# Altium PCB openmv-ae3.PcbDoc (part 6 of 7) (continued)
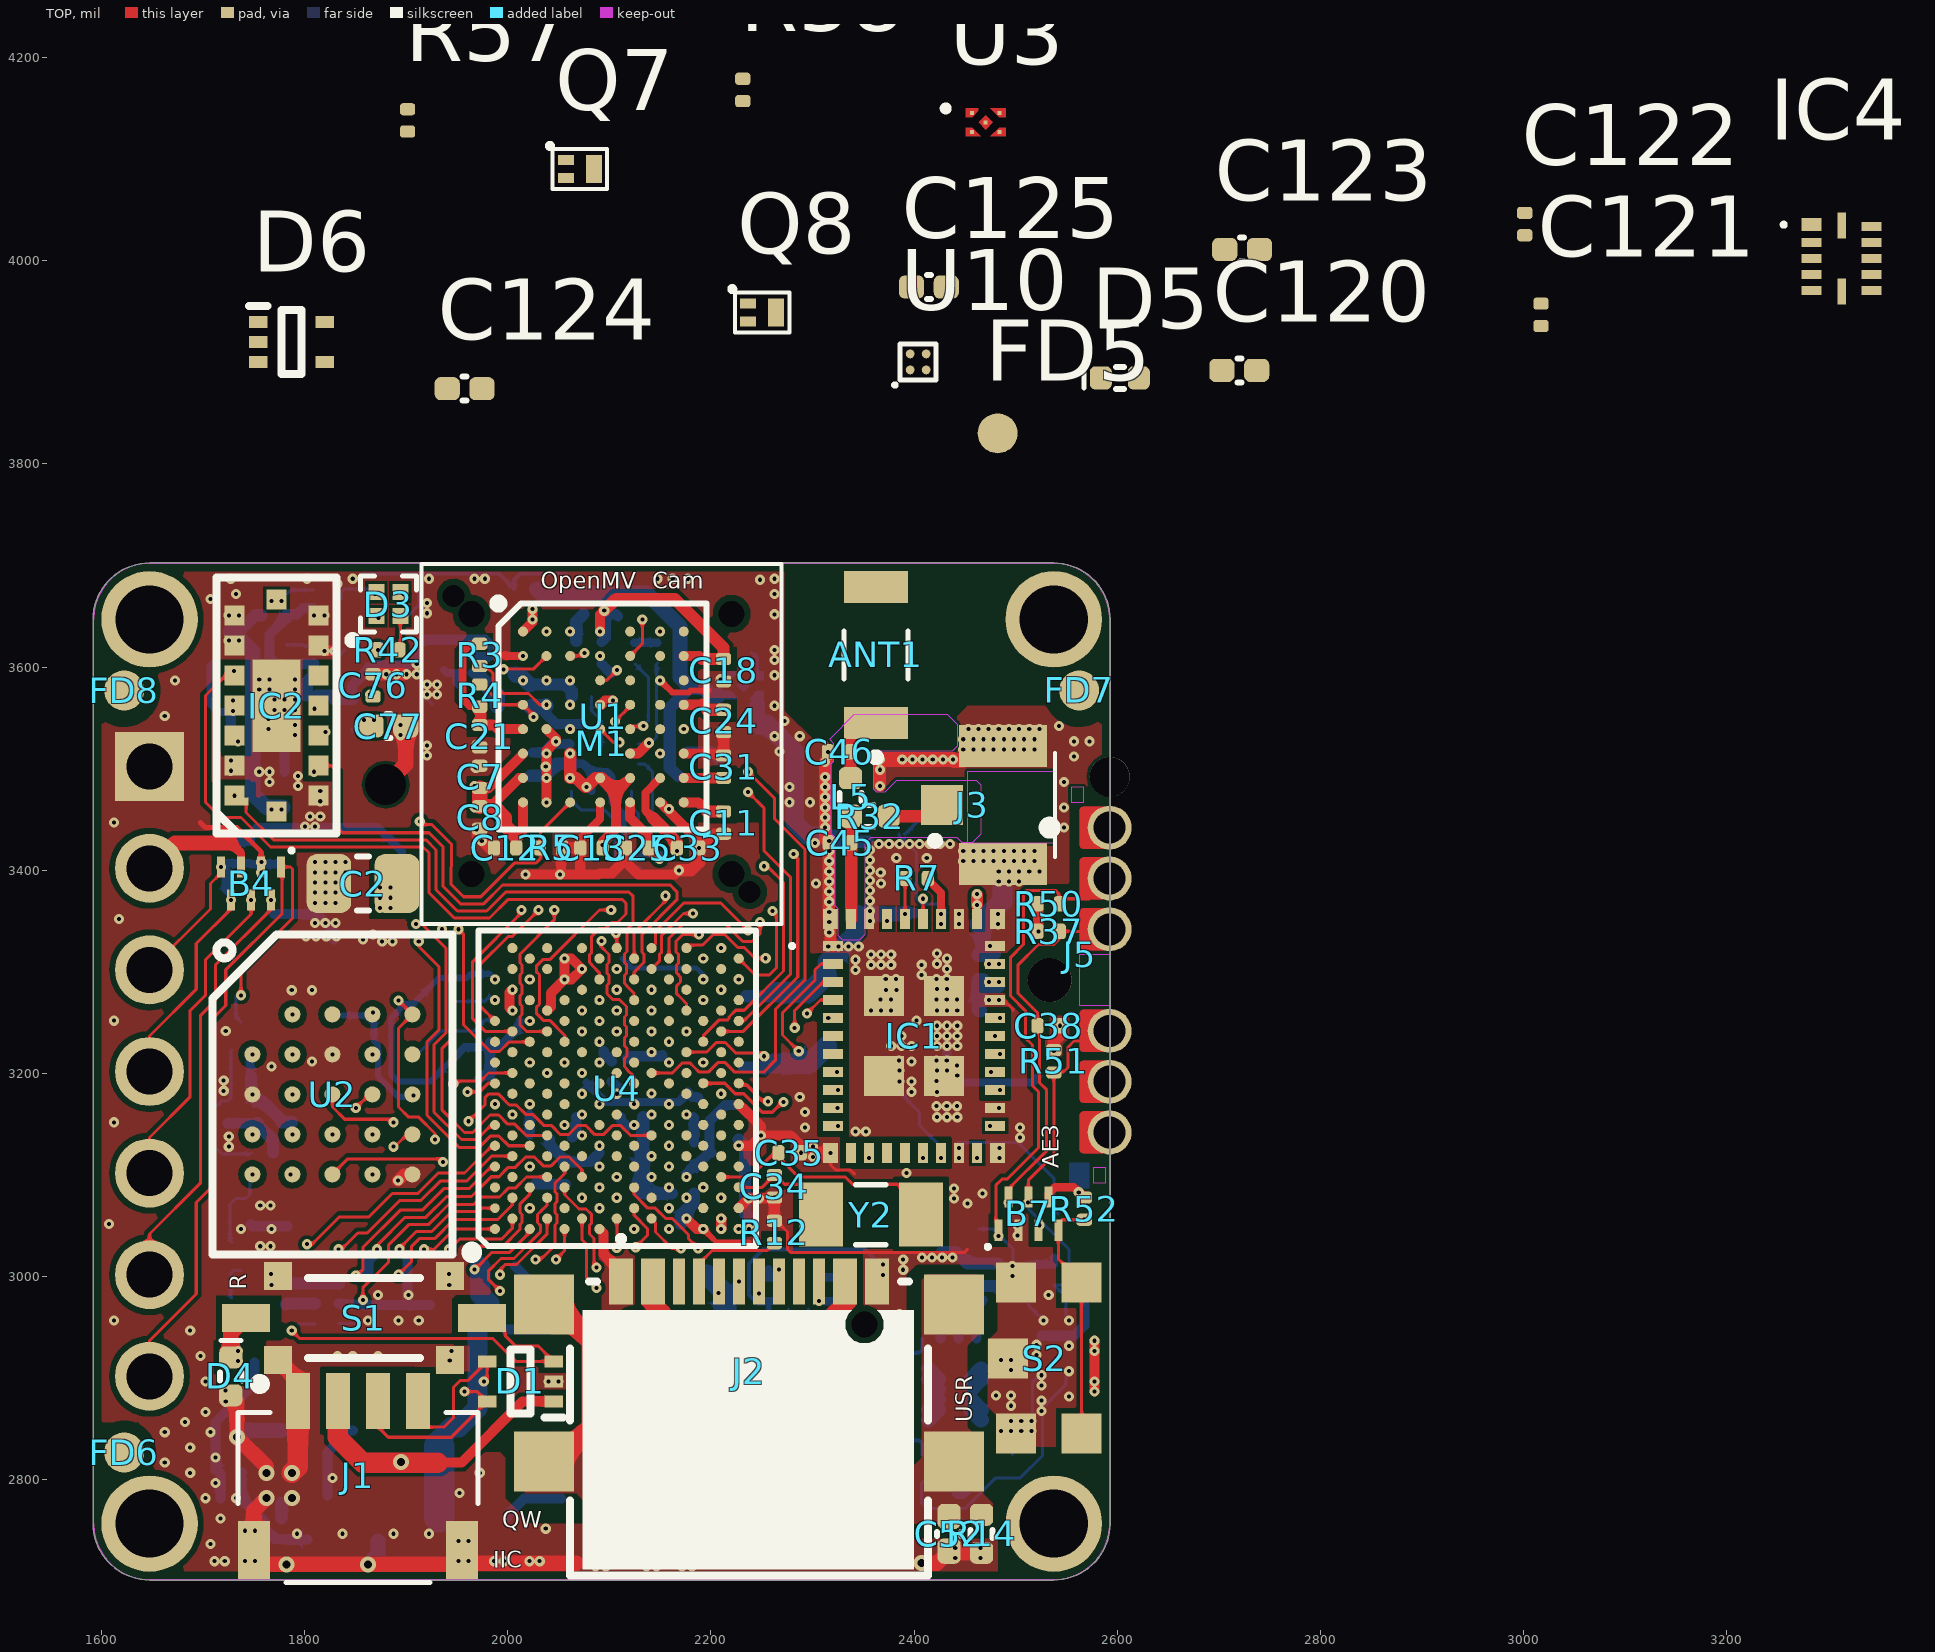
[diagram p0: TOP view]
## Other copper (continued)
  pour cut-out: 1914.56,2776.91 1913.64,2781.55 1911.01,2785.48 1907.08,2788.11 1902.44,2789.03 1897.8,2788.11 1893.87,2785.48 1891.24,2781.55 1890.32,2776.91 1891.24,2772.27 1893.87,2768.34 1897.8,2765.71 1902.44,2764.79 1907.08,2765.71 1911.01,2768.34 1913.64,2772.27 1914.56,2776.91
  pour cut-out: 1874.57,2776.92 1873.65,2781.56 1871.02,2785.49 1867.09,2788.12 1862.45,2789.04 1857.81,2788.12 1853.88,2785.49 1851.25,2781.56 1850.33,2776.92 1851.25,2772.28 1853.88,2768.35 1857.81,2765.72 1862.45,2764.8 1867.09,2765.72 1871.02,2768.35 1873.65,2772.28 1874.57,2776.92
  pour cut-out: 1687.75,2901.91 1686.38,2912.34 1682.35,2922.07 1675.95,2930.42 1667.6,2936.82 1657.87,2940.85 1647.44,2942.22 1637.01,2940.85 1627.28,2936.82 1618.93,2930.42 1612.53,2922.07 1608.5,2912.34 1607.13,2901.91 1608.5,2891.48 1612.53,2881.75 1618.93,2873.4 1627.28,2867 1637.01,2862.97 1647.44,2861.6 1657.87,2862.97 1667.6,2867 1675.95,2873.4 1682.35,2881.75 1686.38,2891.48 1687.75,2901.91
  pour cut-out: 2563.36,3291.91 2562.34,3299.67 2559.34,3306.9 2554.58,3313.11 2548.37,3317.87 2541.14,3320.87 2533.38,3321.89 2525.62,3320.87 2518.39,3317.87 2512.18,3313.11 2507.42,3306.9 2504.42,3299.67 2503.4,3291.91 2504.42,3284.15 2507.42,3276.92 2512.18,3270.71 2518.39,3265.95 2525.62,3262.95 2533.38,3261.93 2541.14,3262.95 2548.37,3265.95 2554.58,3270.71 2559.34,3276.92 2562.34,3284.15 2563.36,3291.91
  pour cut-out: 2370.4,2953.05 2368.94,2960.39 2364.78,2966.61 2358.56,2970.77 2351.22,2972.23 2343.88,2970.77 2337.66,2966.61 2333.5,2960.39 2332.04,2953.05 2333.5,2945.71 2337.66,2939.49 2343.88,2935.33 2351.22,2933.87 2358.56,2935.33 2364.78,2939.49 2368.94,2945.71 2370.4,2953.05
GND3:
  drawing of 150 lines, arcs and shapes, not listed
ART4:
  pour cut-out: 2409.24,3386.59 2408.32,3391.23 2405.69,3395.16 2401.76,3397.79 2397.12,3398.71 2392.48,3397.79 2388.55,3395.16 2385.92,3391.23 2385,3386.59 2385.92,3381.95 2388.55,3378.02 2392.48,3375.39 2397.12,3374.47 2401.76,3375.39 2405.69,3378.02 2408.32,3381.95 2409.24,3386.59
  pour cut-out: 2459.56,3381.91 2458.64,3386.55 2456.01,3390.48 2452.08,3393.11 2447.44,3394.03 2442.8,3393.11 2438.87,3390.48 2436.24,3386.55 2435.32,3381.91 2436.24,3377.27 2438.87,3373.34 2442.8,3370.71 2447.44,3369.79 2452.08,3370.71 2456.01,3373.34 2458.64,3377.27 2459.56,3381.91
  pour cut-out: 1943.56,2816.91 1942.64,2821.55 1940.01,2825.48 1936.08,2828.11 1931.44,2829.03 1926.8,2828.11 1922.87,2825.48 1920.24,2821.55 1919.32,2816.91 1920.24,2812.27 1922.87,2808.34 1926.8,2805.71 1931.44,2804.79 1936.08,2805.71 1940.01,2808.34 1942.64,2812.27 1943.56,2816.91
  pour cut-out: 1914.56,2776.91 1913.64,2781.55 1911.01,2785.48 1907.08,2788.11 1902.44,2789.03 1897.8,2788.11 1893.87,2785.48 1891.24,2781.55 1890.32,2776.91 1891.24,2772.27 1893.87,2768.34 1897.8,2765.71 1902.44,2764.79 1907.08,2765.71 1911.01,2768.34 1913.64,2772.27 1914.56,2776.91
  pour cut-out: 1911.56,2816.91 1910.64,2821.55 1908.01,2825.48 1904.08,2828.11 1899.44,2829.03 1894.8,2828.11 1890.87,2825.48 1888.24,2821.55 1887.32,2816.91 1888.24,2812.27 1890.87,2808.34 1894.8,2805.71 1899.44,2804.79 1904.08,2805.71 1908.01,2808.34 1910.64,2812.27 1911.56,2816.91
  pour cut-out: 1874.57,2776.92 1873.65,2781.56 1871.02,2785.49 1867.09,2788.12 1862.45,2789.04 1857.81,2788.12 1853.88,2785.49 1851.25,2781.56 1850.33,2776.92 1851.25,2772.28 1853.88,2768.35 1857.81,2765.72 1862.45,2764.8 1867.09,2765.72 1871.02,2768.35 1873.65,2772.28 1874.57,2776.92
  pour cut-out: 1759.56,2921.91 1758.64,2926.55 1756.01,2930.48 1752.08,2933.11 1747.44,2934.03 1742.8,2933.11 1738.87,2930.48 1736.24,2926.55 1735.32,2921.91 1736.24,2917.27 1738.87,2913.34 1742.8,2910.71 1747.44,2909.79 1752.08,2910.71 1756.01,2913.34 1758.64,2917.27 1759.56,2921.91
  pour cut-out: 1747.56,3263.91 1746.64,3268.55 1744.01,3272.48 1740.08,3275.11 1735.44,3276.03 1730.8,3275.11 1726.87,3272.48 1724.24,3268.55 1723.32,3263.91 1724.24,3259.27 1726.87,3255.34 1730.8,3252.71 1735.44,3251.79 1740.08,3252.71 1744.01,3255.34 1746.64,3259.27 1747.56,3263.91
  pour cut-out: 1687.75,3301.91 1686.38,3312.34 1682.35,3322.07 1675.95,3330.42 1667.6,3336.82 1657.87,3340.85 1647.44,3342.22 1637.01,3340.85 1627.28,3336.82 1618.93,3330.42 1612.53,3322.07 1608.5,3312.34 1607.13,3301.91 1608.5,3291.48 1612.53,3281.75 1618.93,3273.4 1627.28,3267 1637.01,3262.97 1647.44,3261.6 1657.87,3262.97 1667.6,3267 1675.95,3273.4 1682.35,3281.75 1686.38,3291.48 1687.75,3301.91
  pour cut-out: 1687.75,3201.91 1686.38,3212.34 1682.35,3222.07 1675.95,3230.42 1667.6,3236.82 1657.87,3240.85 1647.44,3242.22 1637.01,3240.85 1627.28,3236.82 1618.93,3230.42 1612.53,3222.07 1608.5,3212.34 1607.13,3201.91 1608.5,3191.48 1612.53,3181.75 1618.93,3173.4 1627.28,3167 1637.01,3162.97 1647.44,3161.6 1657.87,3162.97 1667.6,3167 1675.95,3173.4 1682.35,3181.75 1686.38,3191.48 1687.75,3201.91
  pour cut-out: 1687.75,3101.91 1686.38,3112.34 1682.35,3122.07 1675.95,3130.42 1667.6,3136.82 1657.87,3140.85 1647.44,3142.22 1637.01,3140.85 1627.28,3136.82 1618.93,3130.42 1612.53,3122.07 1608.5,3112.34 1607.13,3101.91 1608.5,3091.48 1612.53,3081.75 1618.93,3073.4 1627.28,3067 1637.01,3062.97 1647.44,3061.6 1657.87,3062.97 1667.6,3067 1675.95,3073.4 1682.35,3081.75 1686.38,3091.48 1687.75,3101.91
  pour cut-out: 1687.75,3001.91 1686.38,3012.34 1682.35,3022.07 1675.95,3030.42 1667.6,3036.82 1657.87,3040.85 1647.44,3042.22 1637.01,3040.85 1627.28,3036.82 1618.93,3030.42 1612.53,3022.07 1608.5,3012.34 1607.13,3001.91 1608.5,2991.48 1612.53,2981.75 1618.93,2973.4 1627.28,2967 1637.01,2962.97 1647.44,2961.6 1657.87,2962.97 1667.6,2967 1675.95,2973.4 1682.35,2981.75 1686.38,2991.48 1687.75,3001.91
  pour cut-out: 1687.75,2901.91 1686.38,2912.34 1682.35,2922.07 1675.95,2930.42 1667.6,2936.82 1657.87,2940.85 1647.44,2942.22 1637.01,2940.85 1627.28,2936.82 1618.93,2930.42 1612.53,2922.07 1608.5,2912.34 1607.13,2901.91 1608.5,2891.48 1612.53,2881.75 1618.93,2873.4 1627.28,2867 1637.01,2862.97 1647.44,2861.6 1657.87,2862.97 1667.6,2867 1675.95,2873.4 1682.35,2881.75 1686.38,2891.48 1687.75,2901.91
  pour cut-out: 2239.57,3652.36 2238.11,3659.7 2233.95,3665.92 2227.73,3670.08 2220.39,3671.54 2213.05,3670.08 2206.83,3665.92 2202.67,3659.7 2201.21,3652.36 2202.67,3645.02 2206.83,3638.8 2213.05,3634.64 2220.39,3633.18 2227.73,3634.64 2233.95,3638.8 2238.11,3645.02 2239.57,3652.36
  pour cut-out: 2279.56,3196.91 2278.64,3201.55 2276.01,3205.48 2272.08,3208.11 2267.44,3209.03 2262.8,3208.11 2258.87,3205.48 2256.24,3201.55 2255.32,3196.91 2256.24,3192.27 2258.87,3188.34 2262.8,3185.71 2267.44,3184.79 2272.08,3185.71 2276.01,3188.34 2278.64,3192.27 2279.56,3196.91
  pour cut-out: 1774.56,3161.91 1773.64,3166.55 1771.01,3170.48 1767.08,3173.11 1762.44,3174.03 1757.8,3173.11 1753.87,3170.48 1751.24,3166.55 1750.32,3161.91 1751.24,3157.27 1753.87,3153.34 1757.8,3150.71 1762.44,3149.79 1767.08,3150.71 1771.01,3153.34 1773.64,3157.27 1774.56,3161.91
  pour cut-out: 1791.13,3188.47 1790.21,3193.11 1787.58,3197.04 1783.65,3199.67 1779.01,3200.59 1774.37,3199.67 1770.44,3197.04 1767.81,3193.11 1766.89,3188.47 1767.81,3183.83 1770.44,3179.9 1774.37,3177.27 1779.01,3176.35 1783.65,3177.27 1787.58,3179.9 1790.21,3183.83 1791.13,3188.47
  pour cut-out: 1774.56,3121.91 1773.64,3126.55 1771.01,3130.48 1767.08,3133.11 1762.44,3134.03 1757.8,3133.11 1753.87,3130.48 1751.24,3126.55 1750.32,3121.91 1751.24,3117.27 1753.87,3113.34 1757.8,3110.71 1762.44,3109.79 1767.08,3110.71 1771.01,3113.34 1773.64,3117.27 1774.56,3121.91
  pour cut-out: 2140.54,3226.91 2139.7,3231.16 2137.29,3234.76 2133.69,3237.17 2129.44,3238.01 2125.19,3237.17 2121.59,3234.76 2119.18,3231.16 2118.34,3226.91 2119.18,3222.66 2121.59,3219.06 2125.19,3216.65 2129.44,3215.81 2133.69,3216.65 2137.29,3219.06 2139.7,3222.66 2140.54,3226.91
  pour cut-out: 2158.54,3080.91 2157.7,3085.16 2155.29,3088.76 2151.69,3091.17 2147.44,3092.01 2143.19,3091.17 2139.59,3088.76 2137.18,3085.16 2136.34,3080.91 2137.18,3076.66 2139.59,3073.06 2143.19,3070.65 2147.44,3069.81 2151.69,3070.65 2155.29,3073.06 2157.7,3076.66 2158.54,3080.91
  pour cut-out: 1998.54,3156.91 1997.7,3161.16 1995.29,3164.76 1991.69,3167.17 1987.44,3168.01 1983.19,3167.17 1979.59,3164.76 1977.18,3161.16 1976.34,3156.91 1977.18,3152.66 1979.59,3149.06 1983.19,3146.65 1987.44,3145.81 1991.69,3146.65 1995.29,3149.06 1997.7,3152.66 1998.54,3156.91
  pour cut-out: 2042.54,3160.91 2041.7,3165.16 2039.29,3168.76 2035.69,3171.17 2031.44,3172.01 2027.19,3171.17 2023.59,3168.76 2021.18,3165.16 2020.34,3160.91 2021.18,3156.66 2023.59,3153.06 2027.19,3150.65 2031.44,3149.81 2035.69,3150.65 2039.29,3153.06 2041.7,3156.66 2042.54,3160.91
  pour cut-out: 2013.54,3104.91 2012.7,3109.16 2010.29,3112.76 2006.69,3115.17 2002.44,3116.01 1998.19,3115.17 1994.59,3112.76 1992.18,3109.16 1991.34,3104.91 1992.18,3100.66 1994.59,3097.06 1998.19,3094.65 2002.44,3093.81 2006.69,3094.65 2010.29,3097.06 2012.7,3100.66 2013.54,3104.91
  pour cut-out: 1925.56,3166.91 1924.64,3171.55 1922.01,3175.48 1918.08,3178.11 1913.44,3179.03 1908.8,3178.11 1904.87,3175.48 1902.24,3171.55 1901.32,3166.91 1902.24,3162.27 1904.87,3158.34 1908.8,3155.71 1913.44,3154.79 1918.08,3155.71 1922.01,3158.34 1924.64,3162.27 1925.56,3166.91
  pour cut-out: 2043.54,3285.91 2042.7,3290.16 2040.29,3293.76 2036.69,3296.17 2032.44,3297.01 2028.19,3296.17 2024.59,3293.76 2022.18,3290.16 2021.34,3285.91 2022.18,3281.66 2024.59,3278.06 2028.19,3275.65 2032.44,3274.81 2036.69,3275.65 2040.29,3278.06 2042.7,3281.66 2043.54,3285.91
  pour cut-out: 1867.56,3528.91 1866.64,3533.55 1864.01,3537.48 1860.08,3540.11 1855.44,3541.03 1850.8,3540.11 1846.87,3537.48 1844.24,3533.55 1843.32,3528.91 1844.24,3524.27 1846.87,3520.34 1850.8,3517.71 1855.44,3516.79 1860.08,3517.71 1864.01,3520.34 1866.64,3524.27 1867.56,3528.91
  pour cut-out: 1834.56,3494.91 1833.64,3499.55 1831.01,3503.48 1827.08,3506.11 1822.44,3507.03 1817.8,3506.11 1813.87,3503.48 1811.24,3499.55 1810.32,3494.91 1811.24,3490.27 1813.87,3486.34 1817.8,3483.71 1822.44,3482.79 1827.08,3483.71 1831.01,3486.34 1833.64,3490.27 1834.56,3494.91
  pour cut-out: 1821.56,3528.91 1820.64,3533.55 1818.01,3537.48 1814.08,3540.11 1809.44,3541.03 1804.8,3540.11 1800.87,3537.48 1798.24,3533.55 1797.32,3528.91 1798.24,3524.27 1800.87,3520.34 1804.8,3517.71 1809.44,3516.79 1814.08,3517.71 1818.01,3520.34 1820.64,3524.27 1821.56,3528.91
  pour cut-out: 1754.56,3516.91 1753.64,3521.55 1751.01,3525.48 1747.08,3528.11 1742.44,3529.03 1737.8,3528.11 1733.87,3525.48 1731.24,3521.55 1730.32,3516.91 1731.24,3512.27 1733.87,3508.34 1737.8,3505.71 1742.44,3504.79 1747.08,3505.71 1751.01,3508.34 1753.64,3512.27 1754.56,3516.91
  pour cut-out: 1771.06,3470.41 1770.14,3475.05 1767.51,3478.98 1763.58,3481.61 1758.94,3482.53 1754.3,3481.61 1750.37,3478.98 1747.74,3475.05 1746.82,3470.41 1747.74,3465.77 1750.37,3461.84 1754.3,3459.21 1758.94,3458.29 1763.58,3459.21 1767.51,3461.84 1770.14,3465.77 1771.06,3470.41
  pour cut-out: 1749.56,3451.91 1748.64,3456.55 1746.01,3460.48 1742.08,3463.11 1737.44,3464.03 1732.8,3463.11 1728.87,3460.48 1726.24,3456.55 1725.32,3451.91 1726.24,3447.27 1728.87,3443.34 1732.8,3440.71 1737.44,3439.79 1742.08,3440.71 1746.01,3443.34 1748.64,3447.27 1749.56,3451.91
  pour cut-out: 2109.56,3465.91 2108.64,3470.55 2106.01,3474.48 2102.08,3477.11 2097.44,3478.03 2092.8,3477.11 2088.87,3474.48 2086.24,3470.55 2085.32,3465.91 2086.24,3461.27 2088.87,3457.34 2092.8,3454.71 2097.44,3453.79 2102.08,3454.71 2106.01,3457.34 2108.64,3461.27 2109.56,3465.91
  region net GND: 2149.1,3671.54 2147.96,3672.68 2123.72,3672.68 2116.19,3680.21 2116.19,3692 2149.13,3692
VCC5:
  drawing of 137 lines, arcs and shapes, not listed
GND6:
  drawing of 150 lines, arcs and shapes, not listed
ART7:
  pour cut-out: 2549.56,3351.91 2548.64,3356.55 2546.01,3360.48 2542.08,3363.11 2537.44,3364.03 2532.8,3363.11 2528.87,3360.48 2526.24,3356.55 2525.32,3351.91 2526.24,3347.27 2528.87,3343.34 2532.8,3340.71 2537.44,3339.79 2542.08,3340.71 2546.01,3343.34 2548.64,3347.27 2549.56,3351.91
  pour cut-out: 2510.56,3249.91 2509.64,3254.55 2507.01,3258.48 2503.08,3261.11 2498.44,3262.03 2493.8,3261.11 2489.87,3258.48 2487.24,3254.55 2486.32,3249.91 2487.24,3245.27 2489.87,3241.34 2493.8,3238.71 2498.44,3237.79 2503.08,3238.71 2507.01,3241.34 2509.64,3245.27 2510.56,3249.91
  pour cut-out: 2509.56,3221.91 2508.64,3226.55 2506.01,3230.48 2502.08,3233.11 2497.44,3234.03 2492.8,3233.11 2488.87,3230.48 2486.24,3226.55 2485.32,3221.91 2486.24,3217.27 2488.87,3213.34 2492.8,3210.71 2497.44,3209.79 2502.08,3210.71 2506.01,3213.34 2508.64,3217.27 2509.56,3221.91
  pour cut-out: 2509.56,3188.91 2508.64,3193.55 2506.01,3197.48 2502.08,3200.11 2497.44,3201.03 2492.8,3200.11 2488.87,3197.48 2486.24,3193.55 2485.32,3188.91 2486.24,3184.27 2488.87,3180.34 2492.8,3177.71 2497.44,3176.79 2502.08,3177.71 2506.01,3180.34 2508.64,3184.27 2509.56,3188.91
  pour cut-out: 2474.56,3160.22 2473.64,3164.86 2471.01,3168.79 2467.08,3171.42 2462.44,3172.34 2457.8,3171.42 2453.87,3168.79 2451.24,3164.86 2450.32,3160.22 2451.24,3155.58 2453.87,3151.65 2457.8,3149.02 2462.44,3148.1 2467.08,3149.02 2471.01,3151.65 2473.64,3155.58 2474.56,3160.22
  pour cut-out: 2469.56,3101.91 2468.64,3106.55 2466.01,3110.48 2462.08,3113.11 2457.44,3114.03 2452.8,3113.11 2448.87,3110.48 2446.24,3106.55 2445.32,3101.91 2446.24,3097.27 2448.87,3093.34 2452.8,3090.71 2457.44,3089.79 2462.08,3090.71 2466.01,3093.34 2468.64,3097.27 2469.56,3101.91
  pour cut-out: 2442.92,2841.91 2442,2846.55 2439.37,2850.48 2435.44,2853.11 2430.8,2854.03 2426.16,2853.11 2422.23,2850.48 2419.6,2846.55 2418.68,2841.91 2419.6,2837.27 2422.23,2833.34 2426.16,2830.71 2430.8,2829.79 2435.44,2830.71 2439.37,2833.34 2442,2837.27 2442.92,2841.91
  pour cut-out: 2339.56,3228.4 2338.64,3233.04 2336.01,3236.97 2332.08,3239.6 2327.44,3240.52 2322.8,3239.6 2318.87,3236.97 2316.24,3233.04 2315.32,3228.4 2316.24,3223.76 2318.87,3219.83 2322.8,3217.2 2327.44,3216.28 2332.08,3217.2 2336.01,3219.83 2338.64,3223.76 2339.56,3228.4
  pour cut-out: 2367.56,3228.4 2366.64,3233.04 2364.01,3236.97 2360.08,3239.6 2355.44,3240.52 2350.8,3239.6 2346.87,3236.97 2344.24,3233.04 2343.32,3228.4 2344.24,3223.76 2346.87,3219.83 2350.8,3217.2 2355.44,3216.28 2360.08,3217.2 2364.01,3219.83 2366.64,3223.76 2367.56,3228.4
  pour cut-out: 2384.56,3141.91 2383.64,3146.55 2381.01,3150.48 2377.08,3153.11 2372.44,3154.03 2367.8,3153.11 2363.87,3150.48 2361.24,3146.55 2360.32,3141.91 2361.24,3137.27 2363.87,3133.34 2367.8,3130.71 2372.44,3129.79 2377.08,3130.71 2381.01,3133.34 2383.64,3137.27 2384.56,3141.91
  pour cut-out: 2384.56,3112.91 2383.64,3117.55 2381.01,3121.48 2377.08,3124.11 2372.44,3125.03 2367.8,3124.11 2363.87,3121.48 2361.24,3117.55 2360.32,3112.91 2361.24,3108.27 2363.87,3104.34 2367.8,3101.71 2372.44,3100.79 2377.08,3101.71 2381.01,3104.34 2383.64,3108.27 2384.56,3112.91
  pour cut-out: 2287.56,3370.91 2286.64,3375.55 2284.01,3379.48 2280.08,3382.11 2275.44,3383.03 2270.8,3382.11 2266.87,3379.48 2264.24,3375.55 2263.32,3370.91 2264.24,3366.27 2266.87,3362.34 2270.8,3359.71 2275.44,3358.79 2280.08,3359.71 2284.01,3362.34 2286.64,3366.27 2287.56,3370.91
  pour cut-out: 2309.56,3228.4 2308.64,3233.04 2306.01,3236.97 2302.08,3239.6 2297.44,3240.52 2292.8,3239.6 2288.87,3236.97 2286.24,3233.04 2285.32,3228.4 2286.24,3223.76 2288.87,3219.83 2292.8,3217.2 2297.44,3216.28 2302.08,3217.2 2306.01,3219.83 2308.64,3223.76 2309.56,3228.4
  pour cut-out: 2284.56,3287.91 2283.64,3292.55 2281.01,3296.48 2277.08,3299.11 2272.44,3300.03 2267.8,3299.11 2263.87,3296.48 2261.24,3292.55 2260.32,3287.91 2261.24,3283.27 2263.87,3279.34 2267.8,3276.71 2272.44,3275.79 2277.08,3276.71 2281.01,3279.34 2283.64,3283.27 2284.56,3287.91
  pour cut-out: 2319.56,3281.91 2318.64,3286.55 2316.01,3290.48 2312.08,3293.11 2307.44,3294.03 2302.8,3293.11 2298.87,3290.48 2296.24,3286.55 2295.32,3281.91 2296.24,3277.27 2298.87,3273.34 2302.8,3270.71 2307.44,3269.79 2312.08,3270.71 2316.01,3273.34 2318.64,3277.27 2319.56,3281.91
  pour cut-out: 2265.52,2876.61 2264.6,2881.25 2261.97,2885.18 2258.04,2887.81 2253.4,2888.73 2248.76,2887.81 2244.83,2885.18 2242.2,2881.25 2241.28,2876.61 2242.2,2871.97 2244.83,2868.04 2248.76,2865.41 2253.4,2864.49 2258.04,2865.41 2261.97,2868.04 2264.6,2871.97 2265.52,2876.61
  pour cut-out: 2213.56,3549.91 2212.64,3554.55 2210.01,3558.48 2206.08,3561.11 2201.44,3562.03 2196.8,3561.11 2192.87,3558.48 2190.24,3554.55 2189.32,3549.91 2190.24,3545.27 2192.87,3541.34 2196.8,3538.71 2201.44,3537.79 2206.08,3538.71 2210.01,3541.34 2212.64,3545.27 2213.56,3549.91
  pour cut-out: 2151.56,3553.91 2150.64,3558.55 2148.01,3562.48 2144.08,3565.11 2139.44,3566.03 2134.8,3565.11 2130.87,3562.48 2128.24,3558.55 2127.32,3553.91 2128.24,3549.27 2130.87,3545.34 2134.8,3542.71 2139.44,3541.79 2144.08,3542.71 2148.01,3545.34 2150.64,3549.27 2151.56,3553.91
  pour cut-out: 2066.6,3182.84 2065.76,3187.09 2063.35,3190.69 2059.75,3193.1 2055.5,3193.94 2051.25,3193.1 2047.65,3190.69 2045.24,3187.09 2044.4,3182.84 2045.24,3178.59 2047.65,3174.99 2051.25,3172.58 2055.5,3171.74 2059.75,3172.58 2063.35,3174.99 2065.76,3178.59 2066.6,3182.84
  pour cut-out: 2029.56,3001.91 2028.64,3006.55 2026.01,3010.48 2022.08,3013.11 2017.44,3014.03 2012.8,3013.11 2008.87,3010.48 2006.24,3006.55 2005.32,3001.91 2006.24,2997.27 2008.87,2993.34 2012.8,2990.71 2017.44,2989.79 2022.08,2990.71 2026.01,2993.34 2028.64,2997.27 2029.56,3001.91
  pour cut-out: 2069.56,3001.91 2068.64,3006.55 2066.01,3010.48 2062.08,3013.11 2057.44,3014.03 2052.8,3013.11 2048.87,3010.48 2046.24,3006.55 2045.32,3001.91 2046.24,2997.27 2048.87,2993.34 2052.8,2990.71 2057.44,2989.79 2062.08,2990.71 2066.01,2993.34 2068.64,2997.27 2069.56,3001.91
  pour cut-out: 2031.85,2916.91 2030.93,2921.55 2028.3,2925.48 2024.37,2928.11 2019.73,2929.03 2015.09,2928.11 2011.16,2925.48 2008.53,2921.55 2007.61,2916.91 2008.53,2912.27 2011.16,2908.34 2015.09,2905.71 2019.73,2904.79 2024.37,2905.71 2028.3,2908.34 2030.93,2912.27 2031.85,2916.91
  pour cut-out: 2004.45,2910.6 2003.53,2915.24 2000.9,2919.17 1996.97,2921.8 1992.33,2922.72 1987.69,2921.8 1983.75,2919.17 1981.13,2915.24 1980.2,2910.6 1981.13,2905.96 1983.75,2902.03 1987.69,2899.4 1992.33,2898.48 1996.97,2899.4 2000.9,2902.03 2003.53,2905.96 2004.45,2910.6
  pour cut-out: 2069.56,2971.91 2068.64,2976.55 2066.01,2980.48 2062.08,2983.11 2057.44,2984.03 2052.8,2983.11 2048.87,2980.48 2046.24,2976.55 2045.32,2971.91 2046.24,2967.27 2048.87,2963.34 2052.8,2960.71 2057.44,2959.79 2062.08,2960.71 2066.01,2963.34 2068.64,2967.27 2069.56,2971.91
  pour cut-out: 2029.56,2971.91 2028.64,2976.55 2026.01,2980.48 2022.08,2983.11 2017.44,2984.03 2012.8,2983.11 2008.87,2980.48 2006.24,2976.55 2005.32,2971.91 2006.24,2967.27 2008.87,2963.34 2012.8,2960.71 2017.44,2959.79 2022.08,2960.71 2026.01,2963.34 2028.64,2967.27 2029.56,2971.91
  pour cut-out: 2033.56,2887.91 2032.64,2892.55 2030.01,2896.48 2026.08,2899.11 2021.44,2900.03 2016.8,2899.11 2012.87,2896.48 2010.24,2892.55 2009.32,2887.91 2010.24,2883.27 2012.87,2879.34 2016.8,2876.71 2021.44,2875.79 2026.08,2876.71 2030.01,2879.34 2032.64,2883.27 2033.56,2887.91
  pour cut-out: 2004.56,2887.91 2003.64,2892.55 2001.01,2896.48 1997.08,2899.11 1992.44,2900.03 1987.8,2899.11 1983.87,2896.48 1981.24,2892.55 1980.32,2887.91 1981.24,2883.27 1983.87,2879.34 1987.8,2876.71 1992.44,2875.79 1997.08,2876.71 2001.01,2879.34 2003.64,2883.27 2004.56,2887.91
  pour cut-out: 1924.56,3432.91 1923.64,3437.55 1921.01,3441.48 1917.08,3444.11 1912.44,3445.03 1907.8,3444.11 1903.87,3441.48 1901.24,3437.55 1900.32,3432.91 1901.24,3428.27 1903.87,3424.34 1907.8,3421.71 1912.44,3420.79 1917.08,3421.71 1921.01,3424.34 1923.64,3428.27 1924.56,3432.91
  pour cut-out: 1921.94,3365.91 1921.02,3370.55 1918.39,3374.48 1914.46,3377.11 1909.82,3378.03 1905.18,3377.11 1901.25,3374.48 1898.62,3370.55 1897.7,3365.91 1898.62,3361.27 1901.25,3357.34 1905.18,3354.71 1909.82,3353.79 1914.46,3354.71 1918.39,3357.34 1921.02,3361.27 1921.94,3365.91
  pour cut-out: 1944.56,3316.29 1943.64,3320.93 1941.01,3324.86 1937.08,3327.49 1932.44,3328.41 1927.8,3327.49 1923.87,3324.86 1921.24,3320.93 1920.32,3316.29 1921.24,3311.65 1923.87,3307.72 1927.8,3305.09 1932.44,3304.17 1937.08,3305.09 1941.01,3307.72 1943.64,3311.65 1944.56,3316.29
  pour cut-out: 1983.54,3336.91 1982.7,3341.16 1980.29,3344.76 1976.69,3347.17 1972.44,3348.01 1968.19,3347.17 1964.59,3344.76 1962.18,3341.16 1961.34,3336.91 1962.18,3332.66 1964.59,3329.06 1968.19,3326.65 1972.44,3325.81 1976.69,3326.65 1980.29,3329.06 1982.7,3332.66 1983.54,3336.91
  pour cut-out: 1960.56,3165.91 1959.64,3170.55 1957.01,3174.48 1953.08,3177.11 1948.44,3178.03 1943.8,3177.11 1939.87,3174.48 1937.24,3170.55 1936.32,3165.91 1937.24,3161.27 1939.87,3157.34 1943.8,3154.71 1948.44,3153.79 1953.08,3154.71 1957.01,3157.34 1959.64,3161.27 1960.56,3165.91
  pour cut-out: 1954.56,3202.91 1953.64,3207.55 1951.01,3211.48 1947.08,3214.11 1942.44,3215.03 1937.8,3214.11 1933.87,3211.48 1931.24,3207.55 1930.32,3202.91 1931.24,3198.27 1933.87,3194.34 1937.8,3191.71 1942.44,3190.79 1947.08,3191.71 1951.01,3194.34 1953.64,3198.27 1954.56,3202.91
  pour cut-out: 1974.56,3111.91 1973.64,3116.55 1971.01,3120.48 1967.08,3123.11 1962.44,3124.03 1957.8,3123.11 1953.87,3120.48 1951.24,3116.55 1950.32,3111.91 1951.24,3107.27 1953.87,3103.34 1957.8,3100.71 1962.44,3099.79 1967.08,3100.71 1971.01,3103.34 1973.64,3107.27 1974.56,3111.91
  pour cut-out: 1979.56,2993.91 1978.64,2998.55 1976.01,3002.48 1972.08,3005.11 1967.44,3006.03 1962.8,3005.11 1958.87,3002.48 1956.24,2998.55 1955.32,2993.91 1956.24,2989.27 1958.87,2985.34 1962.8,2982.71 1967.44,2981.79 1972.08,2982.71 1976.01,2985.34 1978.64,2989.27 1979.56,2993.91
  pour cut-out: 1931.56,2876.91 1930.64,2881.55 1928.01,2885.48 1924.08,2888.11 1919.44,2889.03 1914.8,2888.11 1910.87,2885.48 1908.24,2881.55 1907.32,2876.91 1908.24,2872.27 1910.87,2868.34 1914.8,2865.71 1919.44,2864.79 1924.08,2865.71 1928.01,2868.34 1930.64,2872.27 1931.56,2876.91
  pour cut-out: 1839.56,3181.91 1838.64,3186.55 1836.01,3190.48 1832.08,3193.11 1827.44,3194.03 1822.8,3193.11 1818.87,3190.48 1816.24,3186.55 1815.32,3181.91 1816.24,3177.27 1818.87,3173.34 1822.8,3170.71 1827.44,3169.79 1832.08,3170.71 1836.01,3173.34 1838.64,3177.27 1839.56,3181.91
  pour cut-out: 1833.18,3021.91 1832.26,3026.55 1829.63,3030.48 1825.7,3033.11 1821.06,3034.03 1816.42,3033.11 1812.49,3030.48 1809.86,3026.55 1808.94,3021.91 1809.86,3017.27 1812.49,3013.34 1816.42,3010.71 1821.06,3009.79 1825.7,3010.71 1829.63,3013.34 1832.26,3017.27 1833.18,3021.91
  pour cut-out: 1870.56,3023.91 1869.64,3028.55 1867.01,3032.48 1863.08,3035.11 1858.44,3036.03 1853.8,3035.11 1849.87,3032.48 1847.24,3028.55 1846.32,3023.91 1847.24,3019.27 1849.87,3015.34 1853.8,3012.71 1858.44,3011.79 1863.08,3012.71 1867.01,3015.34 1869.64,3019.27 1870.56,3023.91
  pour cut-out: 1904.56,2876.91 1903.64,2881.55 1901.01,2885.48 1897.08,2888.11 1892.44,2889.03 1887.8,2888.11 1883.87,2885.48 1881.24,2881.55 1880.32,2876.91 1881.24,2872.27 1883.87,2868.34 1887.8,2865.71 1892.44,2864.79 1897.08,2865.71 1901.01,2868.34 1903.64,2872.27 1904.56,2876.91
  pour cut-out: 1804.56,3058.98 1803.64,3063.62 1801.01,3067.55 1797.08,3070.18 1792.44,3071.1 1787.8,3070.18 1783.87,3067.55 1781.24,3063.62 1780.32,3058.98 1781.24,3054.34 1783.87,3050.41 1787.8,3047.78 1792.44,3046.86 1797.08,3047.78 1801.01,3050.41 1803.64,3054.34 1804.56,3058.98
  pour cut-out: 1804.56,3021.91 1803.64,3026.55 1801.01,3030.48 1797.08,3033.11 1792.44,3034.03 1787.8,3033.11 1783.87,3030.48 1781.24,3026.55 1780.32,3021.91 1781.24,3017.27 1783.87,3013.34 1787.8,3010.71 1792.44,3009.79 1797.08,3010.71 1801.01,3013.34 1803.64,3017.27 1804.56,3021.91
  pour cut-out: 1802.06,2879.41 1801.14,2884.05 1798.51,2887.98 1794.58,2890.61 1789.94,2891.53 1785.3,2890.61 1781.37,2887.98 1778.74,2884.05 1777.82,2879.41 1778.74,2874.77 1781.37,2870.84 1785.3,2868.21 1789.94,2867.29 1794.58,2868.21 1798.51,2870.84 1801.14,2874.77 1802.06,2879.41
  pour cut-out: 1687.75,3401.91 1686.38,3412.34 1682.35,3422.07 1675.95,3430.42 1667.6,3436.82 1657.87,3440.85 1647.44,3442.22 1637.01,3440.85 1627.28,3436.82 1618.93,3430.42 1612.53,3422.07 1608.5,3412.34 1607.13,3401.91 1608.5,3391.48 1612.53,3381.75 1618.93,3373.4 1627.28,3367 1637.01,3362.97 1647.44,3361.6 1657.87,3362.97 1667.6,3367 1675.95,3373.4 1682.35,3381.75 1686.38,3391.48 1687.75,3401.91
  pour cut-out: 1687.75,3301.91 1686.38,3312.34 1682.35,3322.07 1675.95,3330.42 1667.6,3336.82 1657.87,3340.85 1647.44,3342.22 1637.01,3340.85 1627.28,3336.82 1618.93,3330.42 1612.53,3322.07 1608.5,3312.34 1607.13,3301.91 1608.5,3291.48 1612.53,3281.75 1618.93,3273.4 1627.28,3267 1637.01,3262.97 1647.44,3261.6 1657.87,3262.97 1667.6,3267 1675.95,3273.4 1682.35,3281.75 1686.38,3291.48 1687.75,3301.91
  pour cut-out: 1687.75,3201.91 1686.38,3212.34 1682.35,3222.07 1675.95,3230.42 1667.6,3236.82 1657.87,3240.85 1647.44,3242.22 1637.01,3240.85 1627.28,3236.82 1618.93,3230.42 1612.53,3222.07 1608.5,3212.34 1607.13,3201.91 1608.5,3191.48 1612.53,3181.75 1618.93,3173.4 1627.28,3167 1637.01,3162.97 1647.44,3161.6 1657.87,3162.97 1667.6,3167 1675.95,3173.4 1682.35,3181.75 1686.38,3191.48 1687.75,3201.91
  pour cut-out: 1687.75,3101.91 1686.38,3112.34 1682.35,3122.07 1675.95,3130.42 1667.6,3136.82 1657.87,3140.85 1647.44,3142.22 1637.01,3140.85 1627.28,3136.82 1618.93,3130.42 1612.53,3122.07 1608.5,3112.34 1607.13,3101.91 1608.5,3091.48 1612.53,3081.75 1618.93,3073.4 1627.28,3067 1637.01,3062.97 1647.44,3061.6 1657.87,3062.97 1667.6,3067 1675.95,3073.4 1682.35,3081.75 1686.38,3091.48 1687.75,3101.91
  pour cut-out: 1687.75,3001.91 1686.38,3012.34 1682.35,3022.07 1675.95,3030.42 1667.6,3036.82 1657.87,3040.85 1647.44,3042.22 1637.01,3040.85 1627.28,3036.82 1618.93,3030.42 1612.53,3022.07 1608.5,3012.34 1607.13,3001.91 1608.5,2991.48 1612.53,2981.75 1618.93,2973.4 1627.28,2967 1637.01,2962.97 1647.44,2961.6 1657.87,2962.97 1667.6,2967 1675.95,2973.4 1682.35,2981.75 1686.38,2991.48 1687.75,3001.91
  pour cut-out: 1687.75,2901.91 1686.38,2912.34 1682.35,2922.07 1675.95,2930.42 1667.6,2936.82 1657.87,2940.85 1647.44,2942.22 1637.01,2940.85 1627.28,2936.82 1618.93,2930.42 1612.53,2922.07 1608.5,2912.34 1607.13,2901.91 1608.5,2891.48 1612.53,2881.75 1618.93,2873.4 1627.28,2867 1637.01,2862.97 1647.44,2861.6 1657.87,2862.97 1667.6,2867 1675.95,2873.4 1682.35,2881.75 1686.38,2891.48 1687.75,2901.91
  pour cut-out: 2563.36,3291.91 2562.34,3299.67 2559.34,3306.9 2554.58,3313.11 2548.37,3317.87 2541.14,3320.87 2533.38,3321.89 2525.62,3320.87 2518.39,3317.87 2512.18,3313.11 2507.42,3306.9 2504.42,3299.67 2503.4,3291.91 2504.42,3284.15 2507.42,3276.92 2512.18,3270.71 2518.39,3265.95 2525.62,3262.95 2533.38,3261.93 2541.14,3262.95 2548.37,3265.95 2554.58,3270.71 2559.34,3276.92 2562.34,3284.15 2563.36,3291.91
  pour cut-out: 2370.4,2953.05 2368.94,2960.39 2364.78,2966.61 2358.56,2970.77 2351.22,2972.23 2343.88,2970.77 2337.66,2966.61 2333.5,2960.39 2332.04,2953.05 2333.5,2945.71 2337.66,2939.49 2343.88,2935.33 2351.22,2933.87 2358.56,2935.33 2364.78,2939.49 2368.94,2945.71 2370.4,2953.05
  pour cut-out: 2142.84,2953.05 2141.38,2960.39 2137.22,2966.61 2131,2970.77 2123.66,2972.23 2116.32,2970.77 2110.1,2966.61 2105.94,2960.39 2104.48,2953.05 2105.94,2945.71 2110.1,2939.49 2116.32,2935.33 2123.66,2933.87 2131,2935.33 2137.22,2939.49 2141.38,2945.71 2142.84,2953.05
  pour cut-out: 1983.67,3396.46 1982.21,3403.8 1978.05,3410.02 1971.83,3414.18 1964.49,3415.64 1957.15,3414.18 1950.93,3410.02 1946.77,3403.8 1945.31,3396.46 1946.77,3389.12 1950.93,3382.9 1957.15,3378.74 1964.49,3377.28 1971.83,3378.74 1978.05,3382.9 1982.21,3389.12 1983.67,3396.46